# Altium PCB DM3370.PcbDoc (part 3 of 9) (continued)
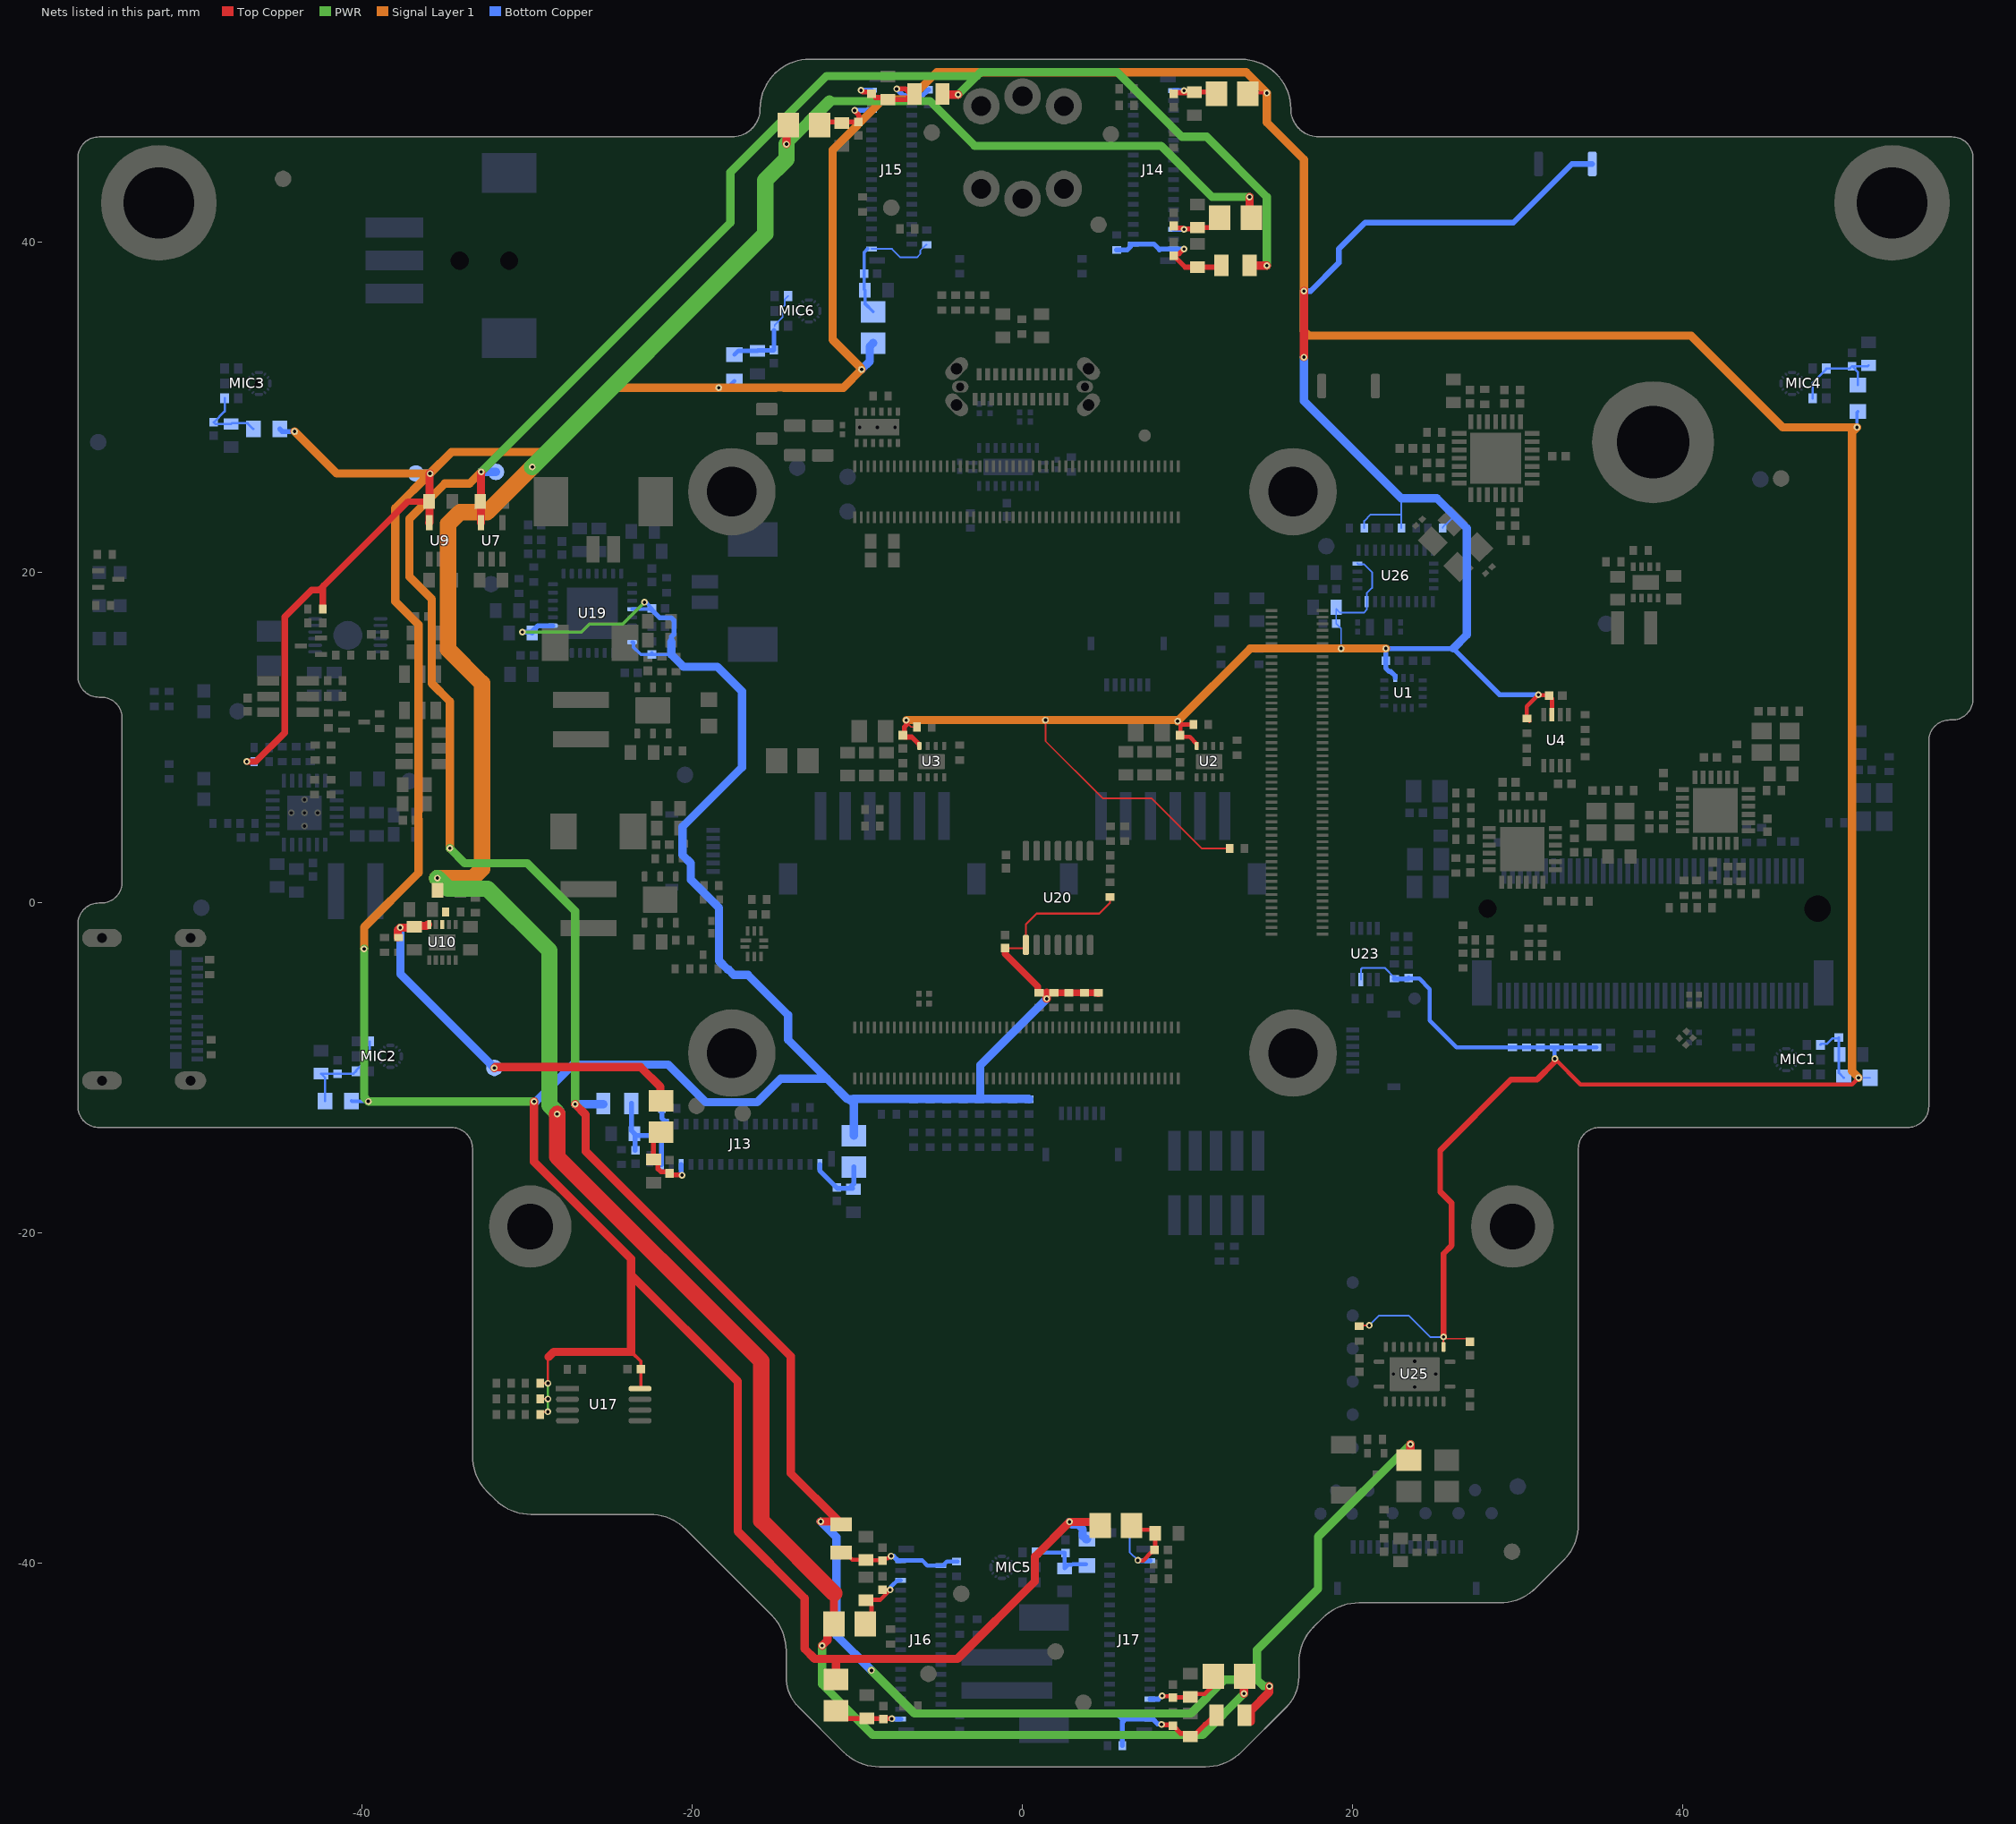
[diagram p7: the nets of this part, all layers, seen from the top]
## Part data (continued)
R62: library part CMP-013-000014-8, "RES SMD 30K OHM 1% 1/16W 0402", Case/Package=0402, Manufacturer 1=Yageo, Max Operating Temperature=155°C, Min Operating Temperature=-55°C, Power Rating=62.5mW, Tolerance=1%, Voltage Rating=50V, Design Item ID=RC0402FR-0730KL, Manufacturer Part Number 1=RC0402FR-0730KL
R65: library part CMP-102-000000-1, "RES SMD 12.1K OHM 1% 1/16W 0402", Manufacturer 1=Yageo, Max Operating Temperature=155°C, Min Operating Temperature=-55°C, Package Height=0.35mm, Package Length=1mm, Package Shape=Rectangular, Package Style=SMTMeter, Package Width=0.5mm, Rated Power Dissipation (P)=62.5mW, Rated Temperature=70°C, Resistance=12.1kR, Resistor Type="FIXED RESISTOR", Temperature Coefficient=100ppm/°C, Tolerance=1%, Working Voltage=50V, Additional Feature="LASER TRIMMABLE", Category="Chip SMD Resistors", ComponentLink1Description=https://datasheet.ciiva.com:443/pdfs/VipMasterIC/IC/YAGO/YAGO-S-A0008145938/YAGO-S-A0008145938-1.pdf?src-supplier=IHS+Markit, ComponentLink1URL=https://datasheet.ciiva.com:443/pdfs/VipMasterIC/IC/YAGO/YAGO-S-A0008145938/YAGO-S-A0008145938-1.pdf?src-supplier=IHS+Markit, ComponentLink2Description=https://datasheet.ciiva.com/11808/0900766b80d8d3b8-11808222.pdf?src-supplier=RSComponents, ComponentLink2URL=https://datasheet.ciiva.com/11808/0900766b80d8d3b8-11808222.pdf?src-supplier=RSComponents, ComponentLink3Description=https://datasheet.ciiva.com/2453/pyu-r-int-thick-7-2453488.pdf?src-supplier=Digi-Key, ComponentLink3URL=https://datasheet.ciiva.com/2453/pyu-r-int-thick-7-2453488.pdf?src-supplier=Digi-Key, ComponentLink4Description=https://datasheet.ciiva.com/2453/pyu-r-int-thick-7-2453489.pdf?src-supplier=Digi-Key, ComponentLink4URL=https://datasheet.ciiva.com/2453/pyu-r-int-thick-7-2453489.pdf?src-supplier=Digi-Key, ComponentLink5Description=https://datasheet.ciiva.com/7983/1018594-7983493.pdf?src-supplier=Element14, ComponentLink5URL=https://datasheet.ciiva.com/7983/1018594-7983493.pdf?src-supplier=Element14, ComponentLink6Description=https://datasheet.ciiva.com/2453/pyu-r-int-thick-7-2453487.pdf?src-supplier=Digi-Key, ComponentLink6URL=https://datasheet.ciiva.com/2453/pyu-r-int-thick-7-2453487.pdf?src-supplier=Digi-Key, ComponentLink7Description=https://datasheet.ciiva.com/17070/pyu-rc0402-51-rohs-l-6-r-17070757.pdf?src-supplier=Future+Electronics, ComponentLink7URL=https://datasheet.ciiva.com/17070/pyu-rc0402-51-rohs-l-6-r-17070757.pdf?src-supplier=Future+Electronics, Construction=Chip, Design Item ID=RC0402FR-0712K1L, JESD-609 Code=e3, Manufacturer Part Number 1=RC0402FR-0712K1L, Mount="Surface Mount", Number of Pins=2, Packaging="Tape and Reel", Pricing 1="10000=0,00090, 20000=0,00088, 40000=0,00086, 60000=0,00084, 80000=0,00081, 100000=0,00079, 1000000=0,00077 (USD)", REACH SVHC=Yes, RoHS=Yes, RoHS Compliant=Yes, Size Code=0402, Source=NG2391C-HM.SchLib, Stock 1=60000, Technology="METAL GLAZE/THICK FILM", Terminal Finish=Nickel, Termination=Wraparound
R67 R88: library part CMP-013-000008-3, "RES SMD 12K OHM 1% 1/16W 0402 12 kOhms ±1% 0.063W, 1/16W Chip Resistor 0402 (1005 Metric) Moisture Resistant Thick Film", Case Code (Imperial)=0402, Case Code (Metric)=1005, Manufacturer 1=Yageo, Max Operating Temperature=155°C, Max Power Dissipation=63mW, Min Operating Temperature=-55°C, Power Rating=62.5mW, Resistance=12k, Tolerance=1%, Voltage Rating=50V, Case/Package=0402, Depth=0.5mm, Design Item ID=RC0402FR-0712KL, Height=0.016inch, Length=1mm, Manufacturer Part Number 1=RC0402FR-0712KL
R68 R74: library part CMP-013-000004-2, "RES SMD 1K OHM 1% 1/16W 0402 1 kOhms ±1% 0.063W, 1/16W Chip Resistor 0402 (1005 Metric) Moisture Resistant Thick Film", Case Code (Imperial)=0402, Case Code (Metric)=1005, Manufacturer 1=Yageo, Max Operating Temperature=155°C, Min Operating Temperature=-55°C, Power Rating=62.5mW, Resistance=1kR, Tolerance=1%, Voltage Rating=50V, Case/Package=0402, Depth=0.5mm, Design Item ID=RC0402FR-071KL, Height=0.32mm, Length=1mm, Manufacturer Part Number 1=RC0402FR-071KL, Number of Pins=2
R70 R72 R189 R191 R192 R193 R194 R197 R198: library part CMP-115-000004-6, "RES SMD 10K OHM 1% 0402 1/16W Chip Resistor, 0402 [1005 Metric], 10 kohm, RC Series, 50 V, Thick Film, 62.5 mW", Case/Package=0402, Manufacturer 1=Yageo, Max Operating Temperature=155°C, Min Operating Temperature=-55°C, Power Rating=62.5mW, Temperature Coefficient=100ppm/°C, Tolerance=1%, Voltage Rating=50V, Design Item ID=RC0402FR-1310KL, Manufacturer Part Number 1=RC0402FR-1310KL
R71: library part CMP-009-00190-5, "RES SMD 0805 10mOhm 1% 1/4W", Case/Package=0805, Manufacturer 1=Panasonic, Max Operating Temperature=155°C, Min Operating Temperature=-55°C, Power Rating=500mW, Temperature Coefficient=300ppm/°C, Tolerance=1%, Manufacturer Part Number 1=ERJ-6BWFR010V
R73: library part CMP-009-00356-1, "RES SMD 2.15k OHM 1% 1/16W", Case/Package=0402, Manufacturer 1="Vishay / Dale", Power Rating=62.5mW, Tolerance=1%, Voltage Rating=50V, Manufacturer Part Number 1=CRCW04022K15FKED
R81 R82 R83 R84: library part CMP-013-000022-3, "RES SMD 0 OHM JUMPER 1/16W 0402", Case Code (Imperial)=0402, Case Code (Metric)=1005, Manufacturer 1=Vishay, Max Operating Temperature=155°C, Max Power Dissipation=63mW, Min Operating Temperature=-55°C, Resistance=0mR, Tolerance=5%, Voltage Rating=50V, Case/Package=0402, Depth=0.5mm, Design Item ID=CRCW04020000Z0ED, Height=0.35mm, Length=1mm, Manufacturer Part Number 1=CRCW04020000Z0ED, Power Rating=63mW
R85: library part CMP-013-000035-2, "RES SMD 100K OHM 1% 1/16W 0402", Case Code (Imperial)=0402, Case Code (Metric)=1005, Manufacturer 1=Yageo, Max Operating Temperature=155°C, Max Power Dissipation=63mW, Min Operating Temperature=-55°C, Resistance=100kR, Tolerance=1%, Voltage Rating=50V, Case/Package=0402, Depth=0.5mm, Design Item ID=RC0402FR-07100KL, Height=0.016inch, Length=0.039inch, Manufacturer Part Number 1=RC0402FR-07100KL, Power Rating=63mW
R86 R87 R89: library part CMP-013-000017-2, "RES SMD 56K OHM 1% 1/16W 0402 56 kOhms ±1% 0.063W, 1/16W Chip Resistor 0402 (1005 Metric) Moisture Resistant Thick Film", Case Code (Imperial)=0402, Case Code (Metric)=1005, Manufacturer=Yageo, Max Operating Temperature=155°C, Max Power Dissipation=63mW, Min Operating Temperature=-55°C, Power Rating=62.5mW, Resistance=56kR, Tolerance=1%, Voltage Rating=50V, Case/Package=0402, Depth=0.5mm, Design Item ID=RC0402FR-0756KL, Height=0.016inch, Length=1mm, Manufacturer 1=Yageo, Manufacturer Part Number=RC0402FR-0756KL, Manufacturer Part Number 1=RC0402FR-0756KL
R90: library part RC0402FR-0747KL, "RES SMD 47K OHM 1% 1/16W 0402", Case Code (Imperial)=0402, Case Code (Metric)=1005, Manufacturer 1=Yageo, Max Operating Temperature=155°C, Max Power Dissipation=63mW, Min Operating Temperature=-55°C, Package Quantity=1, Power Rating=62.5mW, Resistance=47kR, Supplier Part Number 1=311-47.0KLRCT-ND, Temperature Coefficient=100ppm/°C, Tolerance=1%, Voltage Rating=50V, Case/Package=0402, ComponentLink1Description=https://datasheet.ciiva.com/16793/pyu-rc0402-51-rohs-l-6-r-16793430.pdf?src-supplier=Future+Electronics, ComponentLink1URL=https://datasheet.ciiva.com/16793/pyu-rc0402-51-rohs-l-6-r-16793430.pdf?src-supplier=Future+Electronics, ComponentLink2Description=https://datasheet.ciiva.com/46412/1018594-46412839.pdf?src-supplier=Element14, ComponentLink2URL=https://datasheet.ciiva.com/46412/1018594-46412839.pdf?src-supplier=Element14, ComponentLink3Description=https://datasheet.ciiva.com/15189/getdatasheetpartid-323748-15189466.pdf?src-supplier=Verical, ComponentLink3URL=https://datasheet.ciiva.com/15189/getdatasheetpartid-323748-15189466.pdf?src-supplier=Verical, ComponentLink4Description=https://datasheet.ciiva.com/2453/pyu-r-int-thick-7-2453388.pdf?src-supplier=Digi-Key, ComponentLink4URL=https://datasheet.ciiva.com/2453/pyu-r-int-thick-7-2453388.pdf?src-supplier=Digi-Key, ComponentLink5Description=https://datasheet.ciiva.com/2453/pyu-r-int-thick-7-2453389.pdf?src-supplier=Digi-Key, ComponentLink5URL=https://datasheet.ciiva.com/2453/pyu-r-int-thick-7-2453389.pdf?src-supplier=Digi-Key, ComponentLink6Description=https://datasheet.ciiva.com/2453/pyu-r-int-thick-7-2453390.pdf?src-supplier=Digi-Key, ComponentLink6URL=https://datasheet.ciiva.com/2453/pyu-r-int-thick-7-2453390.pdf?src-supplier=Digi-Key, Composition="Thick Film", Depth=0.5mm, Features="Moisture Resistant", Height=0.016inch, Lead Free="Lead Free", Length=1mm, Manufacturer Part Number 1=RC0402FR-0747KL, Military Standard=Not, Number of Terminations=2, Packaging="Tape and Reel", Pricing 1="1=0.10000, 10=0.01600, 100=0.00640, 1000=0.00289, 2500=0.00251, 5000=0.00207 (USD)", REACH SVHC=Unknown, RoHS=Yes, Stock 1=8672261, Supplier 1=Digi-Key, Supplier 2=Newark, Supplier Part Number 2=26M6788, Termination=SMD/SMT, Width=0.5mm
R91: library part CMP-009-00234-1, "NTC Thermistor, 10000ohm, Surface Mount", Case/Package=0603, Manufacturer 1=Vishay, Max Operating Temperature=125°C, Min Operating Temperature=-40°C, Tolerance=1%, Voltage Rating=75V, Manufacturer Part Number 1=NTCG163JF103FT1, RoHS Compliant=Yes
R94 R95: library part CMP-013-000056-2, "RES SMD 5.11K OHM 1% 1/16W 0402 5.11 kOhms ±1% 0.063W, 1/16W Chip Resistor 0402 (1005 Metric) Moisture Resistant Thick Film", Case Code (Imperial)=0402, Case Code (Metric)=1005, Manufacturer 1=Yageo, Max Operating Temperature=155°C, Max Power Dissipation=63mW, Min Operating Temperature=-55°C, Power Rating=62.5mW, Resistance=5.11kR, Tolerance=1%, Voltage Rating=50V, Case/Package=0402, Depth=0.5mm, Design Item ID=RC0402FR-075K11L, Height=0.016inch, Length=1mm, Manufacturer Part Number 1=RC0402FR-075K11L
R97 R98 R99 R100 R102 R113 R114 R115 R116 R117: library part CMP-013-000012-2, "RES SMD 22 OHM 1% 1/16W 0402", Manufacturer 1=Yageo, Max Operating Temperature=155°C, Min Operating Temperature=-55°C, Rated Power Dissipation (P)=62.5mW, Resistance=22R, Tolerance=1%, Category="Chip SMD Resistors", Design Item ID=RC0402FR-0722RL, Manufacturer Part Number 1=RC0402FR-0722RL, Number of Pins=2, RoHS Compliant=Yes
R106 R107 R108 R109 R120 R121 R122 R123: library part RC0402FR-0749R9L, "RES SMD 49.9 OHM 1% 1/16W 0402", Case Code (Imperial)=0402, Case Code (Metric)=1005, Manufacturer 1=Yageo, Max Operating Temperature=155°C, Max Power Dissipation=63mW, Min Operating Temperature=-55°C, Package Quantity=1, Power Rating=62.5mW, Resistance=49.9R, Supplier Part Number 1=311-49.9LRCT-ND, Temperature Coefficient=100ppm/°C, Tolerance=1%, Voltage Rating=50V, Case/Package=0402, ComponentLink1Description=https://datasheet.ciiva.com/11819/0900766b80c66297-11819508.pdf?src-supplier=RSComponents, ComponentLink1URL=https://datasheet.ciiva.com/11819/0900766b80c66297-11819508.pdf?src-supplier=RSComponents, ComponentLink2Description=https://datasheet.ciiva.com/7983/1018594-7983542.pdf?src-supplier=Element14, ComponentLink2URL=https://datasheet.ciiva.com/7983/1018594-7983542.pdf?src-supplier=Element14, ComponentLink3Description=https://datasheet.ciiva.com/16743/pyu-rc0402-51-rohs-l-6-r-16743942.pdf?src-supplier=Future+Electronics, ComponentLink3URL=https://datasheet.ciiva.com/16743/pyu-rc0402-51-rohs-l-6-r-16743942.pdf?src-supplier=Future+Electronics, ComponentLink4Description=https://datasheet.ciiva.com/22747/1018594-22747514.pdf?src-supplier=Element14, ComponentLink4URL=https://datasheet.ciiva.com/22747/1018594-22747514.pdf?src-supplier=Element14, ComponentLink5Description=https://datasheet.ciiva.com/2453/pyu-r-int-thick-7-2453355.pdf?src-supplier=Digi-Key, ComponentLink5URL=https://datasheet.ciiva.com/2453/pyu-r-int-thick-7-2453355.pdf?src-supplier=Digi-Key, ComponentLink6Description=https://datasheet.ciiva.com/2453/pyu-r-int-thick-7-2453356.pdf?src-supplier=Digi-Key, ComponentLink6URL=https://datasheet.ciiva.com/2453/pyu-r-int-thick-7-2453356.pdf?src-supplier=Digi-Key, ComponentLink7Description=https://datasheet.ciiva.com/2453/pyu-r-int-thick-7-2453357.pdf?src-supplier=Digi-Key, ComponentLink7URL=https://datasheet.ciiva.com/2453/pyu-r-int-thick-7-2453357.pdf?src-supplier=Digi-Key, Composition="Thick Film", Depth=0.5mm, Features="Moisture Resistant", Height=0.016inch, Lead Free="Lead Free", Length=1mm, Manufacturer Part Number 1=RC0402FR-0749R9L, Military Standard=Not, Number of Pins=2, Number of Terminations=2, Packaging="Tape and Reel", Pricing 1="1=0.10000, 10=0.01600, 100=0.00640, 1000=0.00289, 2500=0.00251, 5000=0.00207 (USD)", REACH SVHC="No SVHC", RoHS=Yes, Stock 1=15110719, Supplier 1=Digi-Key, Supplier 2=Mouser, Supplier Part Number 2=603-RC0402FR-0749R9L, Termination=SMD/SMT, Voltage Rating (DC)=50V, Width=0.5mm, Working Voltage=50V
R149: library part RC0402FR-071KL, "RES SMD 1K OHM 1% 1/16W 0402", Case Code (Imperial)=0402, Case Code (Metric)=1005, Manufacturer 1=Yageo, Max Operating Temperature=155°C, Min Operating Temperature=-55°C, Power Rating=62.5mW, Resistance=1kR, Supplier Part Number 1=311-1.00KLRCT-ND, Temperature Coefficient=100ppm/°C, Tolerance=1%, Voltage Rating=50V, Case/Package=0402, ComponentLink1Description=https://datasheet.ciiva.com/11819/0900766b80c66297-11819477.pdf?src-supplier=RSComponents, ComponentLink1URL=https://datasheet.ciiva.com/11819/0900766b80c66297-11819477.pdf?src-supplier=RSComponents, ComponentLink2Description=https://datasheet.ciiva.com/12666/pyu-rc0402-51-rohs-l-6-r-12666741.pdf?src-supplier=Mouser, ComponentLink2URL=https://datasheet.ciiva.com/12666/pyu-rc0402-51-rohs-l-6-r-12666741.pdf?src-supplier=Mouser, ComponentLink3Description=https://datasheet.ciiva.com/17063/pyu-rc0402-51-rohs-l-6-r-17063193.pdf?src-supplier=Future+Electronics, ComponentLink3URL=https://datasheet.ciiva.com/17063/pyu-rc0402-51-rohs-l-6-r-17063193.pdf?src-supplier=Future+Electronics, ComponentLink4Description=https://datasheet.ciiva.com/22747/1018594-22747513.pdf?src-supplier=Element14, ComponentLink4URL=https://datasheet.ciiva.com/22747/1018594-22747513.pdf?src-supplier=Element14, ComponentLink5Description=https://datasheet.ciiva.com/7849/1018594-7849869.pdf?src-supplier=Element14, ComponentLink5URL=https://datasheet.ciiva.com/7849/1018594-7849869.pdf?src-supplier=Element14, ComponentLink6Description=https://datasheet.ciiva.com/7983/1018594-7983502.pdf?src-supplier=Element14, ComponentLink6URL=https://datasheet.ciiva.com/7983/1018594-7983502.pdf?src-supplier=Element14, ComponentLink7Description=https://datasheet.ciiva.com/7849/1018594-7849871.pdf?src-supplier=Element14, ComponentLink7URL=https://datasheet.ciiva.com/7849/1018594-7849871.pdf?src-supplier=Element14, Composition="Thick Film", Depth=0.5mm, Height=0.32mm, Lead Free="Lead Free", Length=1mm, Manufacturer Part Number 1=RC0402FR-071KL, Military Standard=Not, Number of Pins=2, Packaging="Tape and Reel", Pricing 1="1=0.10000, 10=0.01600, 100=0.00670, 1000=0.00301, 2500=0.00261, 5000=0.00215 (USD)", REACH SVHC=Unknown, RoHS=Yes, Stock 1=60695854, Supplier 1=Digi-Key, Termination=SMD/SMT, Voltage Rating (DC)=50V, Width=0.5mm
R187: library part CMP-009-00357-1, "RES SMD 2.26K OHM 1% 1/16W 0402", Case/Package=0402, Manufacturer 1="Vishay / Dale", Power Rating=62.5mW, Tolerance=1%, Voltage Rating=50V, Manufacturer Part Number 1=CRCW04022K26FKED
R188: library part CMP-009-00355-1, "RES SMD 7.68K OHM 1% 1/16W 0402", Case/Package=0402, Manufacturer 1="Vishay / Dale", Power Rating=62.5mW, Tolerance=1%, Voltage Rating=50V, Manufacturer Part Number 1=CRCW04027K68FKTD
R190: library part CMP-013-000044-2, "RES SMD 220 OHM 1% 1/16W 0402", Case Code (Imperial)=0402, Case Code (Metric)=1005, Manufacturer 1=Yageo, Max Operating Temperature=155°C, Max Power Dissipation=63mW, Min Operating Temperature=-55°C, Power Rating=62.5mW, Resistance=220R, Tolerance=1%, Voltage Rating=50V, Case/Package=0402, Depth=0.5mm, Design Item ID=RC0402FR-07220RL, Height=0.016inch, Length=1mm, Manufacturer Part Number 1=RC0402FR-07220RL, Number of Pins=2
R195: library part CMP-009-00358-1, "RES SMD 8.2K OHM 1% 1/16W 0402", Case/Package=0402, Manufacturer 1=Bourns, Power Rating=62.5mW, Tolerance=1%, Voltage Rating=50V, Manufacturer Part Number 1=CR0402-FX-8201GLF
TP1 TP2 TP3 TP4 TP5 TP6 TP7 TP8 TP9 TP10 TP11 TP12 TP13 TP29 TP30 TP31 TP32 TP33 TP34 TP35 TP42: library part TEST_POINT
TP14 TP15 TP16 TP17 TP18 TP19 TP20 TP21 TP22 TP23 TP24 TP25 TP26 TP27 TP28 TP36 TP37 TP38 TP39 TP40 TP41 TP43: library part CMP-015-000000-1, Design Item ID=TEST_POINT, Source=LuxonisMaster.SchLib
U1: "Accelerometer, Gyroscope, 6 Axis Sensor IÂ²C, SPI Output", Manufacturer 1="Bosch Sensortec", Package="LGA-14 Bosch Sensortec", Availability=Unavailable, Manufacturer Part Number 1=BMI270, Price=None, SnapEDA_Link=https://www.snapeda.com/parts/BMI270/Bosch%20Sensortec/view-part/3595167/?ref=snap
U2 U3: library part CMP-007-000002-1, "11V, 1A BRUSHED DC MOTOR DRIVER", Manufacturer 1="Texas Instruments", Design Item ID=DRV8210DSGR, Manufacturer Part Number 1=DRV8210DSGR, Source=LuxonisMaster.SchLib
U4 U23: library part CMP-113-000005-1, "TEXAS INSTRUMENTS - TXS0102DCUR - IC, TRANSLATOR, 2 BIT, BI, US-8", Case/Package=VSSOP, High Level Output Current=-20uA, Low Level Output Current=1mA, Manufacturer 1="Texas Instruments", Max Operating Temperature=85°C, Max Supply Voltage=5.5V, Min Operating Temperature=-40°C, Min Supply Voltage=1.65V, Nominal Supply Current=14.4uA, Output Current=1A, Package Quantity=1, Category="Logic Gates", ComponentLink1Description=https://datasheet.ciiva.com/15096/getdatasheetpartid-118249-15096172.pdf?src-supplier=Verical, ComponentLink1URL=https://datasheet.ciiva.com/15096/getdatasheetpartid-118249-15096172.pdf?src-supplier=Verical, ComponentLink2Description=https://datasheet.ciiva.com/22653/1846850-22653373.pdf?src-supplier=Farnell, ComponentLink2URL=https://datasheet.ciiva.com/22653/1846850-22653373.pdf?src-supplier=Farnell, ComponentLink3Description=https://datasheet.ciiva.com/1508/1857232-1508821.pdf?src-supplier=Element14, ComponentLink3URL=https://datasheet.ciiva.com/1508/1857232-1508821.pdf?src-supplier=Element14, ComponentLink4Description=https://datasheet.ciiva.com/1899/txs0102-1899368.pdf?src-supplier=Digi-Key, ComponentLink4URL=https://datasheet.ciiva.com/1899/txs0102-1899368.pdf?src-supplier=Digi-Key, ComponentLink5Description=https://datasheet.ciiva.com/1899/txs0102-1899369.pdf?src-supplier=Digi-Key, ComponentLink5URL=https://datasheet.ciiva.com/1899/txs0102-1899369.pdf?src-supplier=Digi-Key, ComponentLink6Description=https://datasheet.ciiva.com/1899/txs0102-1899370.pdf?src-supplier=Digi-Key, ComponentLink6URL=https://datasheet.ciiva.com/1899/txs0102-1899370.pdf?src-supplier=Digi-Key, ComponentLink7Description=https://datasheet.ciiva.com/14287/txs0102-14287516.pdf?src-supplier=Avnet, ComponentLink7URL=https://datasheet.ciiva.com/14287/txs0102-14287516.pdf?src-supplier=Avnet, ComponentLink8Description=https://datasheet.ciiva.com/28499/1863639-28499676.pdf?src-supplier=Element14, ComponentLink8URL=https://datasheet.ciiva.com/28499/1863639-28499676.pdf?src-supplier=Element14, ComponentLink9Description=https://datasheet.ciiva.com/14287/txs0102-14287518.pdf?src-supplier=Avnet, ComponentLink9URL=https://datasheet.ciiva.com/14287/txs0102-14287518.pdf?src-supplier=Avnet, ComponentLink10Description=https://datasheet.ciiva.com/46395/1863639-46395871.pdf?src-supplier=Element14, ComponentLink10URL=https://datasheet.ciiva.com/46395/1863639-46395871.pdf?src-supplier=Element14, Data Rate=24Mbps, Design Item ID=TXS0102DCUR, Lead Free="Lead Free", Logic Function=Translator, Manufacturer Part Number 1=TXS0102DCUR, Number of Bits=2, Number of Channels=2, Number of Inputs=2, Number of Pins=8, Output Type=Voltage, Packaging="Tape and Reel", Pricing 1="1=0.75000, 10=0.65900, 25=0.61960, 100=0.50550, 250=0.46956, 500=0.39964, 1000=0.31971 (USD)", Propagation Delay=4.6ns, Quiescent Current=14.4uA, Radiation Hardening=No, REACH SVHC="No SVHC", RoHS=Yes, Source=BW2098POE_1.SCHLIB, Stock 1=55123, Turn-On Delay Time=260ns, Weight=0.000339oz
U5: library part CMP-016-00011-1, "Power Supply Support Circuit, Fixed, 1 Channel, PDSO6", Manufacturer 1=Maxim, Max Supply Voltage=5.5V, Min Supply Voltage=1.3V, Manufacturer Part Number 1=MAX16150AUT+T
U6: "IC REG BUCK ADJ 1.2A SYNC 8WSON", Manufacturer 1="Texas Instruments", Manufacturer Part Number 1=TLV62080DSGR, Manufacturer Part Number 2=TLV62080DSGT, Max Input Voltage=5.5V, Max Operating Temperature=125°C, Max Output Current=1.2A, Max Output Voltage=4V, Min Input Voltage=2.5V, Min Operating Temperature=-40°C, Min Output Voltage=500mV, Nominal Supply Current=30uA, Package Quantity=3000, Supplier Part Number 1=296-39270-1-ND, Switching Frequency=2MHz, ComponentLink1Description=https://datasheet.ciiva.com/6604/tlv62080-6604087.pdf?src-supplier=Digi-Key, ComponentLink1URL=https://datasheet.ciiva.com/6604/tlv62080-6604087.pdf?src-supplier=Digi-Key, ComponentLink2Description=https://datasheet.ciiva.com/14378/tlv62080-14378282.pdf?src-supplier=Avnet, ComponentLink2URL=https://datasheet.ciiva.com/14378/tlv62080-14378282.pdf?src-supplier=Avnet, ComponentLink3Description=https://datasheet.ciiva.com/29732/tlv62080-29732147.pdf?src-supplier=Digi-Key, ComponentLink3URL=https://datasheet.ciiva.com/29732/tlv62080-29732147.pdf?src-supplier=Digi-Key, ComponentLink4Description=https://datasheet.ciiva.com/29732/tlv62080-29732156.pdf?src-supplier=Digi-Key, ComponentLink4URL=https://datasheet.ciiva.com/29732/tlv62080-29732156.pdf?src-supplier=Digi-Key, ComponentLink5Description=https://datasheet.ciiva.com/29732/tlv62080-29732151.pdf?src-supplier=Digi-Key, ComponentLink5URL=https://datasheet.ciiva.com/29732/tlv62080-29732151.pdf?src-supplier=Digi-Key, ComponentLink6Description=https://datasheet.ciiva.com/14378/tlv62080-14378283.pdf?src-supplier=Avnet, ComponentLink6URL=https://datasheet.ciiva.com/14378/tlv62080-14378283.pdf?src-supplier=Avnet, ComponentLink7Description=https://datasheet.ciiva.com/26104/tlv62080-26104460.pdf?src-supplier=Avnet+Europe, ComponentLink7URL=https://datasheet.ciiva.com/26104/tlv62080-26104460.pdf?src-supplier=Avnet+Europe, Contact Plating=Gold, Lead Free="Lead Free", Manufacturer 2="Texas Instruments", Min Supply Voltage=2.5V, Mount="Surface Mount", Number of Outputs=1, Number of Pins=8, Output Configuration=Positive, Output Current=1.2A, Output Type=Adjustable, Output Voltage=4V, Packaging="Tape and Reel", Pricing 1="1=1.35000, 10=1.20300, 100=0.93810, 500=0.77498, 1000=0.61182 (USD)", Pricing 2="1=1.48000, 10=1.32700, 100=1.06620 (USD)", Quiescent Current=30uA, Radiation Hardening=No, REACH SVHC="No SVHC", RoHS=Yes, Stock 1=93781, Stock 2=6366, Supplier 1=Digi-Key, Supplier 2=Digi-Key, Supplier Part Number 2=296-36759-1-ND, Synchronous Rectifier=Yes
U7: library part CMP-055-000001-2, "IC REG LINEAR 2.8V 200MA SC70-5 Linear Voltage Regulator IC  1 Output  200mA SC-70-5", Case/Package=SC, Dropout Voltage=175mV, Manufacturer 1="Texas Instruments", Manufacturer Part Number 1=TLV70028DCKT, Manufacturer Part Number 2=TLV70028DCKR, Max Input Voltage=5.5V, Max Operating Temperature=125°C, Max Output Current=200mA, Max Output Voltage=2.8V, Max Power Dissipation=320mW, Min Current Limit=220mA, Min Input Voltage=2V, Min Operating Temperature=-40°C, Nominal Supply Current=31uA, Output Voltage Accuracy=2%, Package Quantity=1, Quiescent Current=30uA, Accuracy=2%, Component Type=Standard, ComponentLink1Description=https://datasheet.ciiva.com/14149/tlv700-eng-ds-14149840.pdf?src-supplier=Distrelec, ComponentLink1URL=https://datasheet.ciiva.com/14149/tlv700-eng-ds-14149840.pdf?src-supplier=Distrelec, ComponentLink2Description=https://datasheet.ciiva.com/22700/1882059-22700172.pdf?src-supplier=Element14, ComponentLink2URL=https://datasheet.ciiva.com/22700/1882059-22700172.pdf?src-supplier=Element14, ComponentLink3Description=http://components.arrow.com/part/dataview/0323_00585634?src-supplier=Arrow+Europe, ComponentLink3URL=http://components.arrow.com/part/dataview/0323_00585634?src-supplier=Arrow+Europe, ComponentLink4Description=http://focus.ti.com/lit/ds/symlink/tlv70033.pdf?src-supplier=Avnet+Europe, ComponentLink4URL=http://focus.ti.com/lit/ds/symlink/tlv70033.pdf?src-supplier=Avnet+Europe, ComponentLink5Description=http://www.ti.com/lit/ds/slvsa00d/slvsa00d.pdf?src-supplier=Digi-Key, ComponentLink5URL=http://www.ti.com/lit/ds/slvsa00d/slvsa00d.pdf?src-supplier=Digi-Key, ComponentLink6Description=http://www.ti.com/lit/pdf/slyy050?src-supplier=Digi-Key, ComponentLink6URL=http://www.ti.com/lit/pdf/slyy050?src-supplier=Digi-Key, ComponentLink7Description=http://www.ti.com/general/docs/lit/getliterature.tsp?genericPartNumber=TLV700&&fileType=pdf&src-supplier=Avnet+Asia, ComponentLink7URL=http://www.ti.com/general/docs/lit/getliterature.tsp?genericPartNumber=TLV700&&fileType=pdf&src-supplier=Avnet+Asia, ComponentLink8Description=http://www.ti.com/general/docs/lit/getliterature.tsp?genericPartNumber=TLV700&&fileType=pdf&src-supplier=Avnet, ComponentLink8URL=http://www.ti.com/general/docs/lit/getliterature.tsp?genericPartNumber=TLV700&&fileType=pdf&src-supplier=Avnet, ComponentLink9Description=http://components.arrow.com/part/dataview/48329233S8322732N7713?src-supplier=Arrow, ComponentLink9URL=http://components.arrow.com/part/dataview/48329233S8322732N7713?src-supplier=Arrow, ComponentLink10Description=http://www.ti.com/litv/slvsa00d?src-supplier=Mouser, ComponentLink10URL=http://www.ti.com/litv/slvsa00d?src-supplier=Mouser, ComponentLink11Description=http://www.ti.com/lit/ds/slvsa00e/slvsa00e.pdf?src-supplier=Digi-Key, ComponentLink11URL=http://www.ti.com/lit/ds/slvsa00e/slvsa00e.pdf?src-supplier=Digi-Key, Contact Plating=Gold, Design Item ID=TLV70028DCK, Height=1mm, Lead Free="Lead Free", Length=2.15mm, Manufacturer 2="Texas Instruments", Max Supply Voltage=5.5V, Min Output Voltage=2.8V, Min Supply Voltage=2V, Nominal Output Voltage=2.8V, Number of Outputs=1, Number of Pins=5, Number of Regulators=1, Output Current=200mA, Output Type=Fixed, Output Voltage=2.8V, Packaging="Tape and Reel", Pin Count=5, Polarity=Positive, Power Dissipation=320mW, Power Rating=320mW, Pricing 1="1=0.55000, 10=0.46700, 100=0.34900 (USD)", Pricing 2="1=0.48000, 10=0.40900, 100=0.30570, 500=0.24020, 1000=0.18561 (USD)", Radiation Hardening=No, REACH SVHC="No SVHC", RoHS=Yes, Source=DM9095_R3M2E4.SCHLIB, Stock 1=832, Stock 2=30013, Termination=SMD/SMT, Width=1.4mm
U8: library part CMP-019-00058-1, "Power Supply Management Circuit, Fixed, 1 Channel, +18V, PQCC24", Manufacturer 1=TI, Manufacturer Part Number 1=BQ24192RGER
U9: "IC REG LINEAR 1.8V 200MA SC70-5 Linear Voltage Regulator IC  1 Output  200mA SC-70-5", Case/Package=SC, Dropout Voltage=175mV, Manufacturer 1="Texas Instruments", Manufacturer Part Number 1=TLV70018DCKR, Manufacturer Part Number 2=TLV70018DCKT, Max Input Voltage=5.5V, Max Operating Temperature=125°C, Max Output Current=200mA, Max Output Voltage=1.8V, Max Power Dissipation=320mW, Min Current Limit=220mA, Min Input Voltage=2V, Min Operating Temperature=-40°C, Nominal Supply Current=31uA, Output Voltage Accuracy=2%, Package Quantity=1, Quiescent Current=30uA, Supplier Part Number 1=296-32409-1-ND, Accuracy=2%, ComponentLink1Description=https://datasheet.ciiva.com/41462/001014631-da-01-en-ic-reg-ldo-1-8v-0-tlv70018dckr-sot-5-tid-41462480.pdf?src-supplier=Conrad, ComponentLink1URL=https://datasheet.ciiva.com/41462/001014631-da-01-en-ic-reg-ldo-1-8v-0-tlv70018dckr-sot-5-tid-41462480.pdf?src-supplier=Conrad, ComponentLink2Description=https://datasheet.ciiva.com/22700/1882059-22700171.pdf?src-supplier=Element14, ComponentLink2URL=https://datasheet.ciiva.com/22700/1882059-22700171.pdf?src-supplier=Element14, ComponentLink3Description=https://datasheet.ciiva.com/14149/tlv700-eng-ds-14149837.pdf?src-supplier=Distrelec, ComponentLink3URL=https://datasheet.ciiva.com/14149/tlv700-eng-ds-14149837.pdf?src-supplier=Distrelec, ComponentLink4Description=https://datasheet.ciiva.com/7992/1882059-7992894.pdf?src-supplier=Element14, ComponentLink4URL=https://datasheet.ciiva.com/7992/1882059-7992894.pdf?src-supplier=Element14, Contact Plating=Gold, Height=1mm, Lead Free="Lead Free", Length=2.15mm, Manufacturer 2="Texas Instruments", Min Output Voltage=1.8V, Nominal Output Voltage=1.8V, Number of Outputs=1, Number of Pins=5, Number of Regulators=1, Output Current=200mA, Output Type=Fixed, Output Voltage=1.8V, Packaging="Tape and Reel", Polarity=Positive, Power Dissipation=320mW, Power Rating=320mW, Pricing 1="1=0.48000, 10=0.40900, 100=0.30570, 500=0.24020, 1000=0.18561 (USD)", Pricing 2="1=0.55000, 10=0.46700, 100=0.34900 (USD)", Radiation Hardening=No, REACH SVHC="No SVHC", RoHS=Yes, Stock 1=63905, Stock 2=13188, Supplier 1=Digi-Key, Supplier 2=Digi-Key, Supplier Part Number 2=296-25269-1-ND, Width=1.4mm
U10: library part CMP-045-000003-2, "TLV752 Dual, 1-A, High-Accuracy, Adjustable-LDO in a Small-Size Package", Manufacturer 1="Texas Instruments", Copyright="Copyright (C) 2021 Ultra Librarian. All rights reserved.", Design Item ID=TLV75201PDSQR, Manufacturer Part Number 1=TLV75201PDSQR, RefDes=RefDes, Source=DM1099.SCHLIB, Type=DEV
U11 U24: library part CMP-043-000004-2, "520kHz/1.6MHz space efficient boost and SEPIC DC-DC regulator 6-WSON -40 to 125", Manufacturer 1=TI, Max Input Voltage=5.5V, Max Operating Temperature=125°C, Max Output Current=3A, Max Output Voltage=24V, Min Input Voltage=2.7V, Min Operating Temperature=-40°C, Min Output Voltage=3V, Nominal Supply Current=500uA, Output Current=2.1A, Package Quantity=1000, Quiescent Current=7mA, Switching Frequency=1.6MHz, Contact Plating=Tin, Efficiency=90%, Lead Free="Lead Free", Manufacturer Part Number 1=LM2735XSD/NOPB, Min Supply Voltage=2.7V, Mount="Surface Mount", Number of Outputs=1, Number of Pins=6, Operating Supply Voltage=5.5V, Output Configuration=Positive, Output Type=Adjustable, Output Voltage=24V, Packaging="Tape and Reel", Radiation Hardening=No, RoHS Compliant=Yes, Series=-, Synchronous Rectifier=No, Topology=Boost,Flyback,SEPIC
U12: library part CBTL02043A, "Multiplexer And Demux/Decoder, CBT/FST/QS/5C/B Series, 1-Func, 2 Line Input, 1 Line Output, True Output, PQCC20", Manufacturer 1="NXP Semiconductors", Manufacturer Part Number 1=CBTL02043ABQ,115, Supplier Part Number 1=568-6678-1-ND, Category="Interface ICs", ComponentLink1Description=https://datasheet.ciiva.com:443/pdfs/VipMasterIC/IC/PHGL/PHGL-S-A0000727649/PHGL-S-A0000727649-1.pdf?src-supplier=IHS+Markit, ComponentLink1URL=https://datasheet.ciiva.com:443/pdfs/VipMasterIC/IC/PHGL/PHGL-S-A0000727649/PHGL-S-A0000727649-1.pdf?src-supplier=IHS+Markit, ComponentLink2Description=https://datasheet.ciiva.com/4921/cbtl02043a-cbtl02043b-87520-4921245.pdf?src-supplier=Mouser, ComponentLink2URL=https://datasheet.ciiva.com/4921/cbtl02043a-cbtl02043b-87520-4921245.pdf?src-supplier=Mouser, ComponentLink3Description=https://datasheet.ciiva.com/6637/cbtl02043a-cbtl02043b-6637066.pdf?src-supplier=Digi-Key, ComponentLink3URL=https://datasheet.ciiva.com/6637/cbtl02043a-cbtl02043b-6637066.pdf?src-supplier=Digi-Key, Pricing 1="1=1,77000, 10=1,63000 (USD)", RoHS=Yes, Stock 1=19938, Supplier 1=Digi-Key
U13: library part CMP-015-00015-1, "USB Type-C™ source controller and 1.5A power switch", Manufacturer 1="Texas Instrumets", Manufacturer Part Number 1=TPS25821DSS, Max Operating Temperature=125°C, Max Supply Voltage=6V, Min Operating Temperature=-40°C, Min Supply Voltage=4.5V, Nominal Supply Voltage=5V, Mounting Technology=SMD, Pins=13, RoHS Compliant=Yes
U14: library part CMP-099-000003-1, "IC CLK GENERATOR 200MHZ 24QFN", Case/Package=QFN, Frequency=100MHz, Manufacturer 1="Silicon Labs", Max Frequency=200MHz, Max Operating Temperature=85°C, Max Supply Voltage=3.465V, Min Operating Temperature=-40°C, Min Supply Voltage=3.135V, Operating Supply Voltage=3.3V, Package Quantity=490, Category="Clock and Timing", ComponentLink1Description=https://datasheet.ciiva.com/1178/si52142-1178690.pdf?src-supplier=Digi-Key, ComponentLink1URL=https://datasheet.ciiva.com/1178/si52142-1178690.pdf?src-supplier=Digi-Key, ComponentLink2Description=https://datasheet.ciiva.com/26919/getdatasheetpartid-550913-26919827.pdf?src-supplier=Verical, ComponentLink2URL=https://datasheet.ciiva.com/26919/getdatasheetpartid-550913-26919827.pdf?src-supplier=Verical, ComponentLink3Description=https://datasheet.ciiva.com/46413/1813417-46413349.pdf?src-supplier=Element14, ComponentLink3URL=https://datasheet.ciiva.com/46413/1813417-46413349.pdf?src-supplier=Element14, ComponentLink4Description=https://datasheet.ciiva.com/4771/si52142-4771159.pdf?src-supplier=Mouser, ComponentLink4URL=https://datasheet.ciiva.com/4771/si52142-4771159.pdf?src-supplier=Mouser, Design Item ID=SI52142-A01AGM, Height=0.75mm, Input=Clock, Length=4mm, Manufacturer Part Number 1=SI52142-A01AGM, Max Duty Cycle=55%, Number of Circuits=1, Number of Outputs=2, Number of Pins=24, Packaging=Tray, PLL=Yes, Pricing 1="1=1.81000, 25=1.66320, 100=1.51200, 1000=1.36080 (USD)", Radiation Hardening=No, REACH SVHC=Unknown, RoHS=Yes, Source=NG2391C-HM.SchLib, Stock 1=398, Width=4mm